# Altium PCB 一体机V1.PcbDoc (part 3 of 5)
Units mil, origin at the board's own origin, x right, y up, seen from the top; angles counter-clockwise.
Board outline 4013.53 x 6321.59 mil, 6 copper layers (Top Layer, GND, VCC, Mid-Layer 1, GND (Plane2), Bottom Layer); 349 components, 402 nets, 1592 pads, 708 vias.
Unrouted connection lines stored in the file: 4.
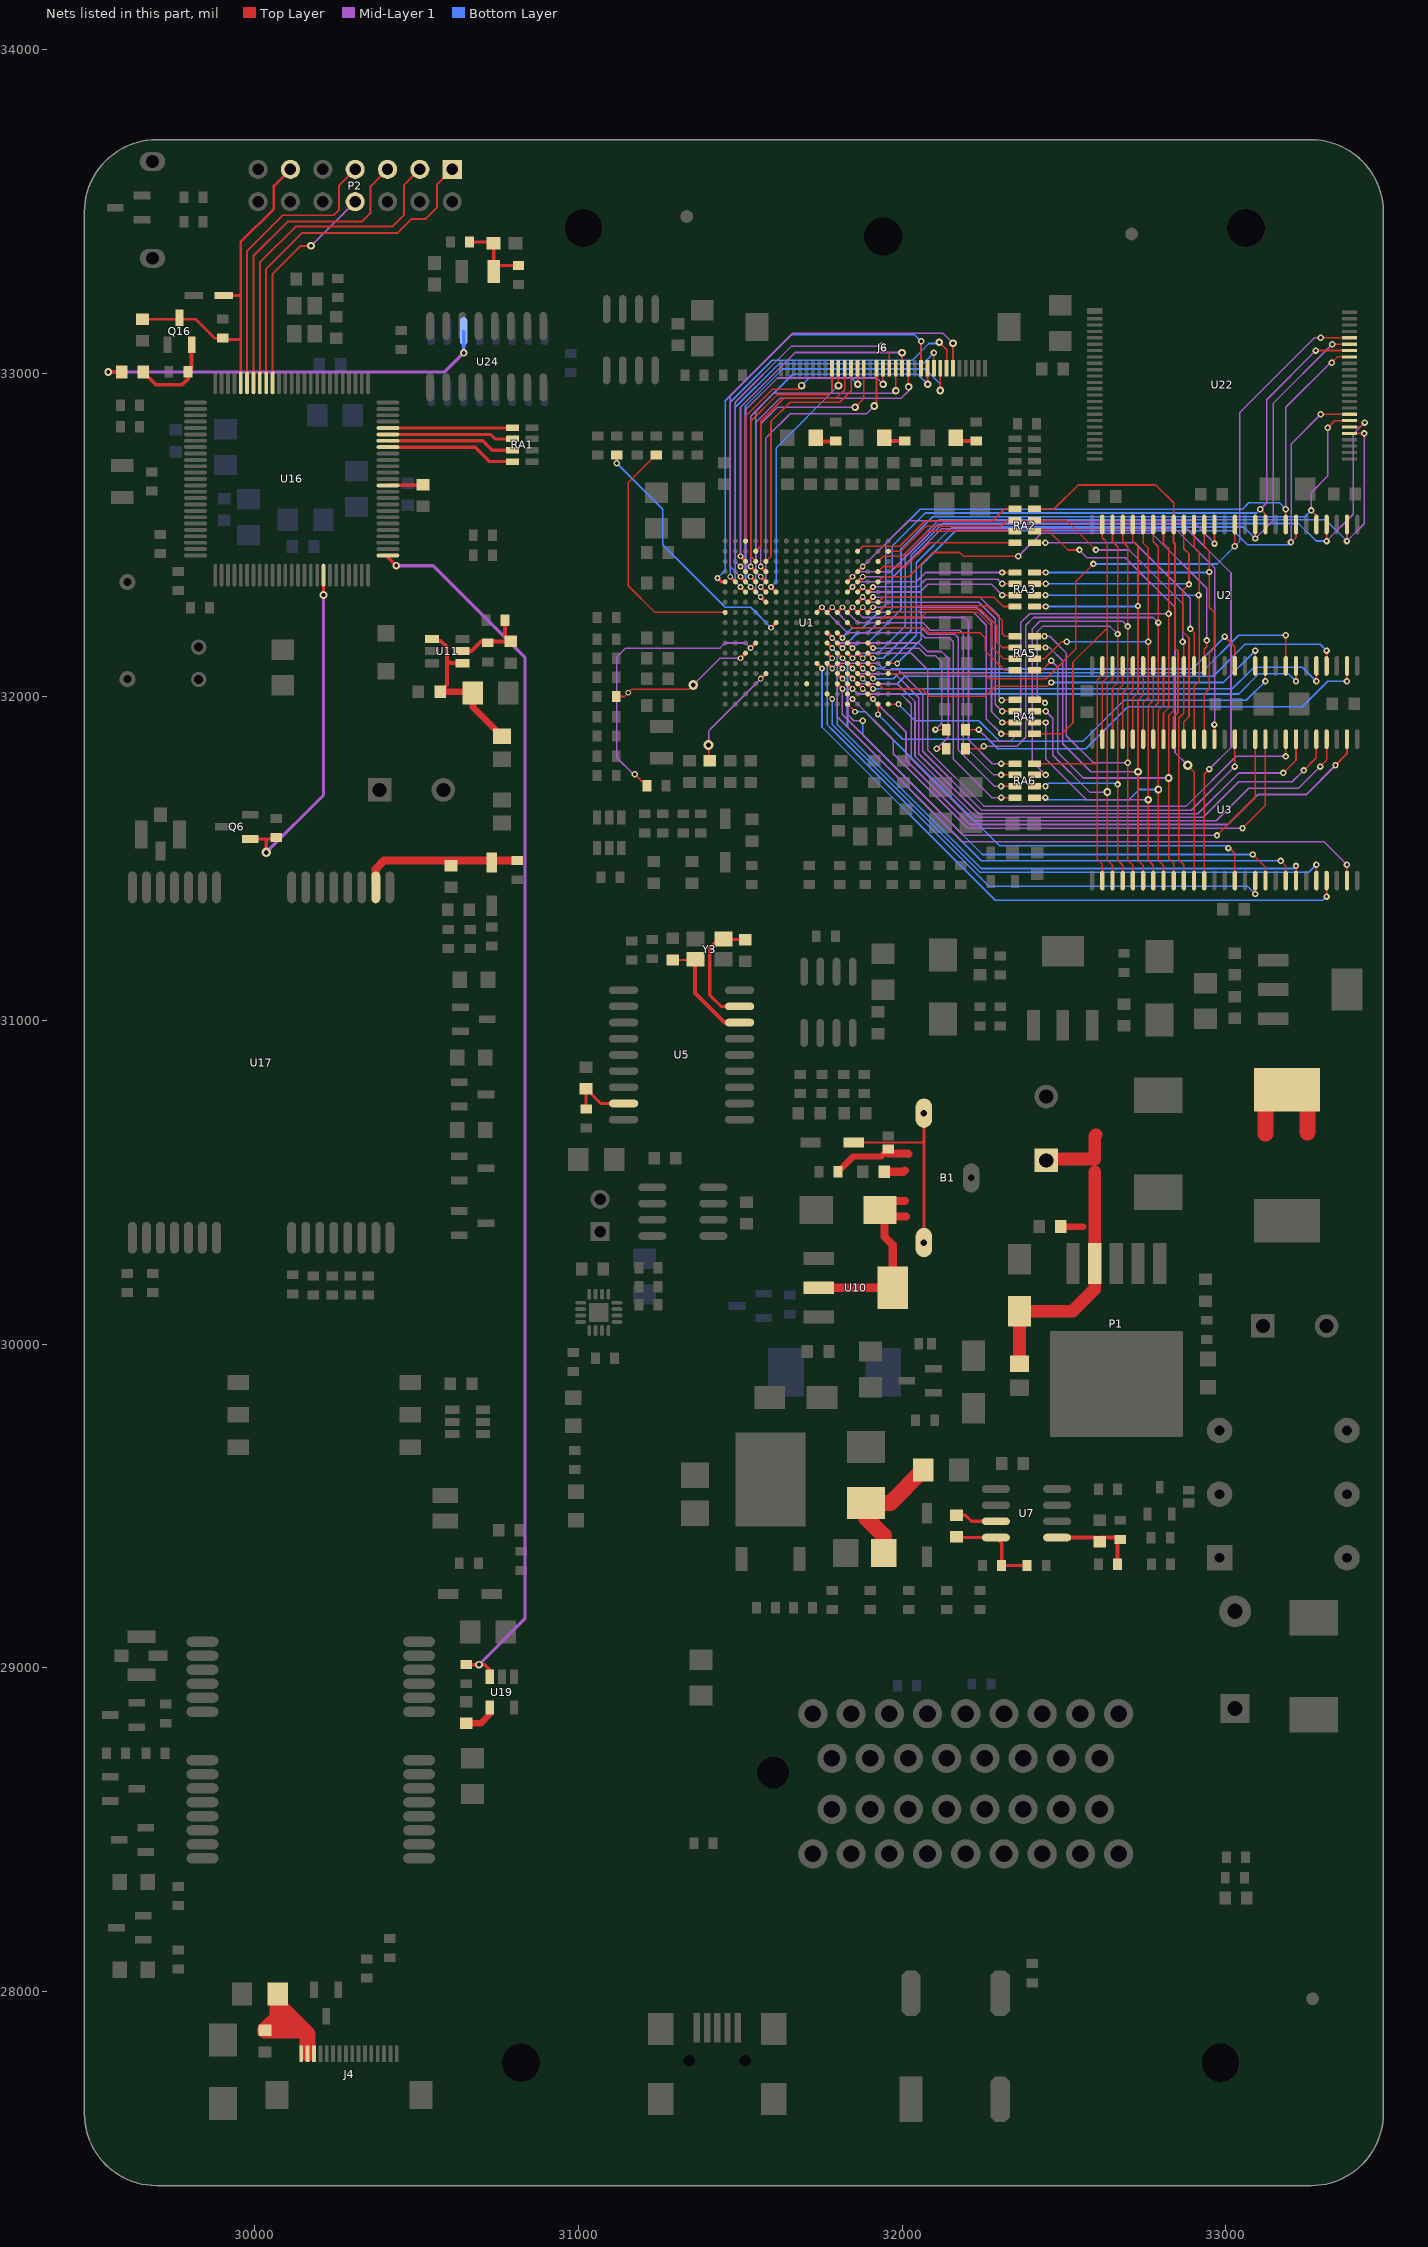
[diagram p7: the nets of this part, all layers, seen from the top]

## Via types
v1: diameter 18, hole 10, Top Layer to Bottom Layer, tented top, 254 vias
v2: diameter 20, hole 10, Top Layer to Bottom Layer, tented top, 136 vias
v3: diameter 23.62, hole 11.81, Top Layer to Bottom Layer, 111 vias
v4: diameter 50, hole 28, Top Layer to Bottom Layer, 77 vias
v5: diameter 19.68, hole 10, Top Layer to Bottom Layer, tented top, 63 vias
v6: diameter 23.62, hole 11.81, Top Layer to Bottom Layer, tented top, 31 vias
v7: diameter 30, hole 15, Top Layer to Bottom Layer, tented top, 18 vias
v8: diameter 30, hole 15, Top Layer to Bottom Layer, 17 vias
v9: diameter 39.37, hole 19.68, Top Layer to Bottom Layer, tented top, 1 vias

## Nets (pads, with @x,y where several pads share a name; then routed paths per layer and width w, separated by ;. In a path a pad name is that pad's centre, name@x,y a point inside that pad or via, vN(x,y) a via of type N, cw(c..) or ccw(c..) an arc to the next point about the centre after c; other vN are vias at no path point) (continued)
GPRS_PWR: Q6.1 R76.2 U16.43 | length 1053.4
  Top Layer w10: Q6.1@29986.22,31561.03 30035.43,31561.03 ; v8(30035.43,31519.68) 30035.43,31561.03 ; R76.2@30066.93,31564.96 30062.99,31561.03 30035.43,31561.03 ; v3(30212.6,32314.96) U16.43@30212.6,32375.98
  Mid-Layer 1 w10: v8(30035.43,31519.68) 30212.6,31696.85 v3(30212.6,32314.96)
GPS_PWR: R88.1 U16.51 U19.3 | length 3829.1
  Top Layer w10: U16.51@30411.42,32437.01 30411.42,32431.1 v3(30437.01,32405.51) ; R88.1@30653.54,29009.84 v3(30692.91,29009.84) 30710.63,29009.84 30726.38,28994.09 U19.3@30726.38,28972.44
  Mid-Layer 1 w10: v3(30437.01,32405.51) 30551.18,32405.51 30834.65,32122.05 30834.65,29151.58 v3(30692.91,29009.84)
I2CSCL: R31.2 U1.U8 | length 772.1
  Top Layer w5: R31.2@31238.9,32747.24 31154.25,32662.6 31154.25,32343.7 31236.93,32261.02 U1.U8@31453.46,32261.02
I2CSDA: R32.2 U1.M9 | length 799.2
  Top Layer w5: v2(31118.82,32721.65) R32.2@31118.82,32747.24
  Top Layer w10: v1(31595.2,32213.78) U1.M9@31610.95,32229.53
  Bottom Layer w5: v2(31118.82,32721.65) 31260.55,32579.92 31260.55,32469.68 31453.47,32276.77 31532.21,32276.77 v1(31595.2,32213.78)
LADDR2: RA3.1 U2.23 U3.23 | length 997.4
  Top Layer w5: RA3.1@32408.66,32279.39 v5(32444.27,32279.39) ; U3.23@32713.31,31869.29 32713.31,31997.24 32729.06,32012.99 32729.06,32463.78 32713.31,32479.53 U2.23@32713.31,32532.68
  Bottom Layer w5: v5(32444.27,32279.39) 32727.74,32279.39 v5(32729.06,32280.71)
LADDR3: RA6.3 U2.24 U3.24 | length 1491.4
  Top Layer w5: RA6.3@32408.66,31758.84 v5(32443.84,31758.84) ; U3.24@32681.81,31869.29 32681.81,32012.99 32697.56,32028.74 32697.56,32463.78 32681.81,32479.53 U2.24@32681.81,32532.68
  Mid-Layer 1 w5: v5(32443.84,31758.84) 32402.28,31800.39 32402.28,32209.84 32425.91,32233.46 32681.81,32233.46 v5(32697.56,32217.72)
LADDR4: RA4.4 U2.25 U3.25 | length 1207.8
  Top Layer w5: RA4.4@32408.66,31990.69 32432.46,31990.69 v5(32441.65,31981.5) ; U3.25@32650.32,31869.29 32650.32,32028.74 32666.07,32044.49 32666.07,32463.78 32650.32,32479.53 U2.25@32650.32,32532.68
  Mid-Layer 1 w5: v5(32441.65,31981.5) 32418.03,32005.12 32418.03,32201.97 32433.78,32217.72 32642.44,32217.72 v5(32666.06,32194.09)
LADDR5: RA4.1 U2.26 U3.26 | length 1147.8
  Top Layer w5: RA4.1@32408.66,31885.69 32493.49,31885.69 32528.27,31920.47 32528.27,32107.48 32634.57,32213.78 ; U3.26@32618.82,31869.29 32618.82,32044.49 32634.57,32060.24 32634.57,32213.78 ; U2.26@32618.82,32532.68 32618.82,32491.34 32634.57,32475.59 32634.57,32227.56 32634.57,32213.78
LADDR6: RA6.4 U2.29 U3.29 | length 868.2
  Top Layer w5: RA6.4@32408.66,31793.84 32600.45,31793.84 ; U3.29@32618.82,31432.28 32618.82,31483.46 32603.07,31499.21 32603.07,32052.36 32618.82,32068.11 U2.29@32618.82,32095.67
LADDR7: RA4.3 U2.30 U3.30 | length 1072.7
  Top Layer w5: RA4.3@32408.66,31955.69 v5(32443.84,31955.69) ; U3.30@32650.32,31432.28 32650.32,31479.53 32634.57,31495.27 32634.57,32036.61 32650.32,32052.36 U2.30@32650.32,32095.67
  Mid-Layer 1 w5: v5(32443.84,31955.69) 32465.28,31934.25 32465.28,31820.08 32579.45,31705.9 32630.63,31705.9 v6(32634.57,31705.9)
LADDR8: RA6.2 U2.31 U3.31 | length 941.1
  Top Layer w5: RA6.2@32408.66,31723.84 v5(32443.41,31723.84) ; U3.31@32681.81,31432.28 32681.81,31479.53 32666.07,31495.27 32666.07,32020.87 32681.81,32036.61 U2.31@32681.81,32095.67
  Bottom Layer w5: v5(32443.41,31723.84) 32453.03,31733.46 32658.19,31733.46 v5@32666.06,31725.59
  other v5: 32666.06,31729.53
LADDR9: RA5.4 U2.32 U3.32 | length 1277.2
  Top Layer w5: RA5.4@32408.66,32187.54 v5(32440.34,32187.54) ; U3.32@32713.31,31432.28 32713.31,31479.53 32697.56,31495.27 32697.56,32005.12 32713.31,32020.87 U2.32@32713.31,32095.67
  Mid-Layer 1 w5: v5(32440.34,32187.54) 32456.08,32187.54 32507.77,32135.85 32507.77,31879.94 32591.26,31796.46 v5(32697.56,31796.46)
LADDR10: RA5.3 U2.33 U3.33 | length 1305.6
  Top Layer w5: RA5.3@32408.66,32152.54 v5(32443.41,32152.54) ; U3.33@32744.81,31432.28 32744.81,31479.53 32729.06,31495.27 32729.06,31989.37 32744.81,32005.12 U2.33@32744.81,32095.67
  Mid-Layer 1 w5: v5(32443.41,32152.54) 32455.65,32152.54 32496.77,32111.42 32496.77,31855.51 32583.39,31768.9 v6(32729.06,31768.9)
LADDR11: RA4.2 U2.34 U3.34 | length 1192.9
  Top Layer w5: RA4.2@32408.66,31920.69 v5(32443.84,31920.69) ; U3.34@32776.3,31432.28 32776.3,31479.53 32760.55,31495.27 32760.55,31973.62 32776.3,31989.37 U2.34@32776.3,32095.67
  Mid-Layer 1 w5: v5(32443.84,31920.69) 32443.84,31808.27 32569.82,31682.28 v6(32760.55,31682.28)
LADDR12: RA5.2 U2.22 U3.22 | length 1050.2
  Top Layer w5: RA5.2@32408.66,32117.54 32439.9,32117.54 32492.84,32170.47 v2(32508.58,32170.47) ; U3.22@32744.81,31869.29 32744.81,31981.5 32760.55,31997.24 32760.55,32459.84 32744.81,32475.59 U2.22@32744.81,32532.68
  Bottom Layer w5: v2(32508.58,32170.47) v5(32760.55,32170.47)
LADDR13: RA6.1 U2.35 U3.35 | length 1075.6
  Top Layer w5: RA6.1@32408.66,31688.84 v5(32442.97,31688.84) ; U3.35@32807.8,31432.28 32807.8,31479.53 32792.05,31495.27 32792.05,31957.87 32807.8,31973.62 U2.35@32807.8,32095.67
  Bottom Layer w5: v5(32442.97,31688.84) 32449.53,31682.28 32701.5,31682.28 32732.99,31713.78 v6(32792.05,31713.78)
LADDR14: RA5.1 U2.36 U3.36 | length 1407.8
  Top Layer w5: RA5.1@32408.66,32082.54 32432.46,32082.54 v5(32461.34,32111.42) ; U3.36@32839.29,31432.28 32839.29,31485.43 32823.54,31501.18 v6(32823.54,31749.21) 32823.54,31942.12 32839.29,31957.87 U2.36@32839.29,32095.67
  Mid-Layer 1 w5: v5(32461.34,32111.42) 32481.03,32091.73 32481.03,31827.95 32559.77,31749.21 v6(32823.54,31749.21)
LADDR24: R7.2 U2.20 U3.20 | length 1678.2
  Top Layer w5: R7.2@32195.59,31898.82 v5(32236.93,31898.82) ; U3.20@32807.8,31869.29 32807.8,31950 32823.55,31965.75 32823.55,32459.84 32807.8,32475.59 U2.20@32807.8,32532.68
  Mid-Layer 1 w5: v5(32236.93,31898.82) 32272.36,31863.38 32335.36,31863.38 32366.85,31894.88 32366.85,32229.53 32394.41,32257.09 v5(32823.54,32257.09)
LADDR25: R6.2 U2.21 U3.21 | length 1650.3
  Top Layer w5: R6.2@32195.59,31839.76 32244.8,31839.76 v5(32252.68,31847.64) ; U3.21@32776.3,31869.29 32776.3,31965.75 32792.05,31981.5 32792.05,32463.78 32776.3,32479.53 U2.21@32776.3,32532.68
  Mid-Layer 1 w5: v5(32252.68,31847.64) 32355.04,31847.64 32382.6,31875.2 32382.6,32221.65 32406.22,32245.27 32776.3,32245.27 v5(32792.05,32229.53)
LCD_PWREN: R19.1 U1.P11 | length 889.6
  Top Layer w5: v5(31173.94,31761.02) 31197.56,31737.4 R19.1@31207.4,31737.4
  Top Layer w10: v1(31532.2,32150.79) U1.P11@31547.95,32166.53
  Mid-Layer 1 w5: v5@31171.97,31759.05 31118.82,31812.2 31118.82,32123.23 31146.38,32150.79 31437.72,32150.79 31453.47,32166.53 31516.46,32166.53 v1(31532.2,32150.79)
LDATA0: U1.D12 U2.2 U22.29 | length 2305.1
  Top Layer w5: v2(33374.73,32481.5) U2.2@33374.73,32532.68 ; U22.29@33382.6,32814.17 v2(33427.87,32814.17)
  Top Layer w10: U1.D12@31862.91,32135.04 v1(31878.66,32119.29)
  Mid-Layer 1 w5: v2(33374.73,32481.5) 33427.87,32534.64 v2(33427.87,32814.17)
  Bottom Layer w5: v1(31878.66,32119.29) 31894.41,32135.04 31925.91,32135.04 32009.71,32218.84 32009.71,32443.25 32113.26,32546.8 33309.42,32546.8 v2(33374.73,32481.5)
LDATA1: U1.C12 U2.4 U22.30 | length 2274.1
  Top Layer w5: v2(33311.73,32481.5) U2.4@33311.73,32532.68 ; U22.30@33382.6,32833.86 33416.07,32833.86 v2(33429.84,32847.64)
  Top Layer w10: U1.C12@31894.41,32135.04 v1(31910.16,32119.29)
  Mid-Layer 1 w5: v2(33311.73,32481.5) 33394.41,32564.17 33394.41,32812.2 v2(33429.84,32847.64)
  Bottom Layer w5: v1(31910.16,32119.29) 31941.66,32119.29 32028.27,32205.9 32028.27,32438.19 32125.88,32535.8 33225.12,32535.8 33279.43,32481.5 v2(33311.73,32481.5)
LDATA2: U1.E11 U2.5 U22.31 | length 2129.3
  Top Layer w5: v2(33264.49,32575.98) 33280.24,32560.24 U2.5@33280.24,32532.68 ; v2(33315.67,32831.89) 33337.33,32853.54 U22.31@33382.6,32853.54
  Top Layer w10: U1.E11@31831.42,32166.53 v1(31847.17,32150.79)
  Mid-Layer 1 w5: v2(33264.49,32575.98) 33264.49,32631.1 33311.73,32678.35 33315.67,32682.28 v2(33315.67,32831.89)
  Bottom Layer w5: v1(31847.17,32150.79) 31862.91,32166.53 31894.41,32166.53 31996.77,32268.9 31996.77,32457.87 32095.2,32556.3 33244.8,32556.3 v2(33264.49,32575.98)
LDATA3: U1.A13 U2.7 U22.32 | length 2152.9
  Top Layer w5: U1.A13@31957.4,32103.54 v1(31984.96,32103.54) ; v2(33201.5,32477.56) 33217.25,32493.31 U2.7@33217.25,32532.68 ; v2(33294.02,32873.23) U22.32@33382.6,32873.23
  Mid-Layer 1 w5: v2(33201.5,32477.56) 33202.25,32478.31 33202.25,32781.46 v2(33294.02,32873.23)
  Bottom Layer w5: v1(31984.96,32103.54) 32059.77,32178.35 32059.77,32406.69 32166.06,32512.99 33024.33,32512.99 33067.64,32469.68 33193.62,32469.68 v2(33201.5,32477.56)
LDATA4: U1.F10 U2.8 U22.41 | length 2330.5
  Top Layer w5: U2.8@33185.75,32532.68 U2.8@33185.75,32548.42 ; 33185.75,32564.17 U2.8@33185.75,32548.42 ; v2(33185.75,32579.92) U2.8@33185.75,32548.42 ; v2(33327.48,33032.68) 33345.2,33050.39 U22.41@33382.6,33050.39
  Top Layer w10: U1.F10@31799.92,32198.03 v1(31815.67,32182.28)
  Mid-Layer 1 w5: v2(33185.75,32579.92) 33185.75,32894.88 v2@33331.42,33040.55
  Bottom Layer w5: v1(31815.67,32182.28) 31847.17,32213.78 31878.66,32213.78 31949.53,32284.64 31949.53,32473.62 32055.83,32579.92 33051.89,32579.92 33071.58,32599.61 33166.06,32599.61 v2(33185.75,32579.92)
LDATA5: U1.F11 U2.10 U22.42 | length 2323.6
  Top Layer w5: v2(33107.01,32579.92) 33122.76,32564.17 U2.10@33122.76,32532.68 ; v2(33278.27,33070.08) U22.42@33382.6,33070.08
  Top Layer w10: U1.F11@31799.92,32166.53 v1(31815.67,32150.79)
  Mid-Layer 1 w5: v2(33107.01,32579.92) 33126.69,32599.61 33126.69,32906.69 33126.69,32918.5 v2(33278.27,33070.08)
  Bottom Layer w5: v1(31815.67,32150.79) 31862.91,32198.03 31894.41,32198.03 31969.21,32272.83 31969.21,32465.75 32071.58,32568.11 33095.2,32568.11 v2(33107.01,32579.92)
LDATA6: U1.C13 U2.11 U22.43 | length 2326
  Top Layer w5: v5(33091.26,32489.37) U2.11@33091.26,32532.68 ; v2(33329.45,33089.76) U22.43@33382.6,33089.76
  Top Layer w10: U1.C13@31894.41,32103.54 v1(31910.16,32087.79)
  Mid-Layer 1 w5: v5(33091.26,32489.37) 33146.38,32544.49 33146.38,32906.69 v2(33329.45,33089.76)
  Bottom Layer w5: v1(31910.16,32087.79) 31941.66,32087.79 32044.02,32190.16 32044.02,32414.57 32154.25,32524.8 33055.83,32524.8 v5(33091.26,32489.37)
LDATA7: U1.A14 U2.13 U22.44 | length 2290
  Top Layer w5: U1.A14@31957.4,32072.05 32255.18,32072.05 32270.93,32056.3 32445.59,32056.3 32536.14,32146.85 32536.14,32355.51 v2(32591.26,32410.63) ; v2(33028.27,32465.75) U2.13@33028.27,32532.68 ; v2(33294.02,33109.45) U22.44@33382.6,33109.45
  Mid-Layer 1 w5: v2(33028.27,32465.75) 33044.02,32481.5 33044.02,32879.13 33274.33,33109.45 v2(33294.02,33109.45)
  Bottom Layer w5: v2(32591.26,32410.63) 32973.15,32410.63 33008.58,32446.06 v2(33028.27,32465.75)
LDATA8: U1.D13 U2.42 | length 1297.8
  Top Layer w5: v2(32996.77,32186.22) 33028.27,32154.72 U2.42@33028.27,32095.67
  Top Layer w10: U1.D13@31862.91,32103.54 v1(31878.66,32087.79)
  Bottom Layer w5: v1(31878.66,32087.79) 31894.41,32072.05 31953.47,32072.05 31967.46,32086.04 32896.6,32086.04 v2(32996.77,32186.22)
LDATA9: U1.B15 U2.44 | length 1286.9
  Top Layer w5: U1.B15@31925.91,32040.55 31941.65,32024.8 32061.39,32024.8 32084.2,32001.99 32257.43,32001.99 32288.11,32032.68 32449.53,32032.68 v5(32461.34,32044.49) ; U2.44@33091.26,32095.67 v2(33091.26,32142.91)
  Bottom Layer w5: v5(32461.34,32044.49) 32992.84,32044.49 v2(33091.26,32142.91)
LDATA10: U1.A17 U2.45 | length 1336.5
  Top Layer w5: U1.A17@31957.4,31977.56 v1(31988.9,31977.56) ; v2(33122.76,32048.42) U2.45@33122.76,32095.67
  Bottom Layer w5: v1(31988.9,31977.56) 32040.08,31926.38 32236.93,31926.38 32299.92,31863.38 32559.77,31863.38 32685.75,31989.37 33063.7,31989.37 v2(33122.76,32048.42)
LDATA11: U1.C14 U2.47 | length 1447.8
  Top Layer w5: U2.47@33185.75,32095.67 v2(33185.75,32190.16)
  Top Layer w10: U1.C14@31894.41,32072.05 v1(31910.16,32056.3)
  Bottom Layer w5: v1(31910.16,32056.3) 31973.15,32056.3 31991.89,32075.04 32924.97,32075.04 33040.08,32190.16 v2(33185.75,32190.16)
LDATA12: U1.D15 U2.48 | length 1450.5
  Top Layer w5: v2(33217.25,32048.42) U2.48@33217.25,32095.67
  Top Layer w10: U1.D15@31862.91,32040.55 v1(31878.66,32024.8)
  Bottom Layer w5: v1(31878.66,32024.8) 31894.41,32009.05 33040.08,32009.05 33103.07,32072.05 33193.62,32072.05 v2(33217.25,32048.42)
LDATA13: U1.C15 U2.50 | length 1485.3
  Top Layer w5: v2(33280.24,32048.42) U2.50@33280.24,32095.67
  Top Layer w10: U1.C15@31894.41,32040.55 v1(31910.16,32024.8)
  Bottom Layer w5: v1(31910.16,32024.8) 33020.4,32024.8 33069.61,32074.01 33087.32,32091.73 33225.12,32091.73 33236.93,32091.73 v2(33280.24,32048.42)
LDATA14: U1.D14 U2.51 | length 1567.8
  Top Layer w5: U2.51@33311.73,32095.67 v2(33311.73,32142.91)
  Top Layer w10: U1.D14@31862.91,32072.05 v1(31878.66,32056.3)
  Bottom Layer w5: v1(31878.66,32056.3) 31894.41,32040.55 31984.96,32040.55 32008.45,32064.04 32961.21,32064.04 33059.77,32162.6 33292.05,32162.6 v2(33311.73,32142.91)
LDATA15: U1.B17 U2.53 | length 1658
  Top Layer w5: v1(31925.91,31946.06) U1.B17@31925.91,31977.56 ; v2(33374.73,32048.42) U2.53@33374.73,32095.67
  Bottom Layer w5: v1(31925.91,31946.06) 32002.62,31869.35 32266.51,31869.35 32296.1,31839.76 32567.64,31839.76 32697.56,31969.68 33236.93,31969.68 33315.67,32048.42 v2(33374.73,32048.42)
LDATA16: U1.C16 U3.2 | length 1834
  Top Layer w6: U1.C16@31894.41,32009.05 v1(31910.16,31993.31) ; v2(33339.29,31788.58) 33374.72,31824.01 U3.2@33374.72,31869.29
  Mid-Layer 1 w6: v1(31910.16,31993.31) 32012.52,31890.94 32012.52,31804.33 32211.38,31605.48 33006.58,31605.48 33099.14,31698.03 33248.74,31698.03 v2(33339.29,31788.58)
LDATA17: U1.E15 U3.4 | length 1897.5
  Top Layer w5: v2(33292.05,31784.64) 33311.73,31804.33 U3.4@33311.73,31869.29
  Top Layer w10: U1.E15@31831.42,32040.55 v1(31847.17,32024.8)
  Mid-Layer 1 w5: v1(31847.17,32024.8) 31862.91,32009.05 31996.77,32009.05 32028.27,31977.56 32028.27,31808.27 32219.56,31616.98 32970.84,31616.98 33071.58,31717.72 33225.12,31717.72 v2(33292.05,31784.64)
LDATA18: U1.E14 U3.5 | length 1865.3
  Top Layer w5: v2(33240.87,31772.83) 33280.24,31812.2 U3.5@33280.24,31869.29
  Top Layer w10: U1.E14@31831.42,32072.05 v1(31847.17,32056.3)
  Mid-Layer 1 w5: v1(31847.17,32056.3) 31862.91,32040.55 31984.96,32040.55 32040.08,31985.43 32040.08,31816.14 32228.25,31627.98 32930.65,31627.98 33040.08,31737.4 33205.43,31737.4 v2(33240.87,31772.83)
LDATA19: U1.E13 U3.7 | length 1813.2
  Top Layer w5: v2(33177.88,31764.96) 33217.25,31804.33 U3.7@33217.25,31869.29
  Top Layer w10: U1.E13@31831.42,32103.54 v1(31847.17,32087.79)
  Mid-Layer 1 w5: v1(31847.17,32087.79) 31862.91,32072.05 31977.09,32072.05 32051.89,31997.24 32051.89,31824.01 32236.93,31638.98 32914.1,31638.98 33040.08,31764.96 v2(33177.88,31764.96)
LDATA20: U1.E12 U3.8 | length 1825
  Top Layer w5: v2(33185.75,31816.14) U3.8@33185.75,31869.29
  Top Layer w10: U1.E12@31831.42,32135.04 v1(31847.17,32119.29)
  Mid-Layer 1 w5: v1(31847.17,32119.29) 31862.91,32135.04 32028.27,32135.04 32079.45,32083.86 32079.45,31836.09 32252.94,31662.6 32878.66,31662.6 33032.21,31816.14 v2(33185.75,31816.14)
LDATA21: U1.E16 U3.10 | length 1722.4
  Top Layer w5: U1.E16@31831.42,32009.05 v1(31847.17,31993.31) ; v2(33051.89,31593.98) 33122.76,31664.84 U3.10@33122.76,31869.29
  Mid-Layer 1 w5: v1(31847.17,31993.31) 31973.15,31867.32 31973.15,31824.01 32203.19,31593.98 v2(33051.89,31593.98)
LDATA22: U1.F15 U3.11 | length 1759.6
  Top Layer w5: v2(32973.15,31572.05) 33091.26,31690.16 U3.11@33091.26,31869.29
  Top Layer w10: U1.F15@31799.92,32040.55 v1(31815.67,32024.8)
  Mid-Layer 1 w5: v1(31815.67,32024.8) 31815.67,31946.06 32181.81,31579.92 32189.69,31572.05 v2(32973.15,31572.05)
LDATA23: U1.G13 U3.13 | length 1697.1
  Top Layer w5: v2@33028.27,31792.52 U3.13@33028.27,31869.29
  Top Layer w10: U1.G13@31768.43,32103.54 v1(31784.17,32087.79)
  Mid-Layer 1 w5: v1(31784.17,32087.79) 31799.92,32103.54 31925.91,32103.54 31945.59,32083.86 31988.9,32083.86 32063.7,32009.05 32063.7,31831.89 32245.62,31649.98 32893.6,31649.98 v2(33028.27,31784.64)
LDATA24: U1.E17 U3.42 | length 1472.3
  Top Layer w5: U1.E17@31831.42,31977.56 v1(31855.04,31953.94) ; v2(33008.58,31532.68) 33012.52,31532.68 33028.27,31516.93 U3.42@33028.27,31432.28
  Bottom Layer w5: v1(31855.04,31953.94) 31886.54,31953.94 32299.92,31540.55 33000.71,31540.55 v2(33008.58,31532.68)
LDATA25: U1.G12 U3.44 | length 1814.6
  Top Layer w5: v2(33091.26,31390.95) U3.44@33091.26,31432.28
  Top Layer w10: U1.G12@31768.43,32135.04 v1(31784.17,32119.29)
  Bottom Layer w5: v1(31784.17,32119.29) 31768.43,32103.54 31768.43,31914.57 31784.17,31898.82 32268.43,31414.57 33067.64,31414.57 v2(33091.26,31390.95)
LDATA26: U1.F14 U3.45 | length 1692.8
  Top Layer w5: v2(33083.39,31512.99) 33122.76,31473.62 U3.45@33122.76,31432.28
  Top Layer w10: U1.F14@31799.92,32072.05 v1(31815.67,32056.3)
  Mid-Layer 1 w5: v1(31815.67,32056.3) 31831.42,32040.55 31831.42,31946.06 31851.1,31926.38 v5(31878.66,31926.38)
  Bottom Layer w5: v5(31878.66,31926.38) 31878.66,31883.07 32248.74,31512.99 v2(33083.39,31512.99)
LDATA27: U1.F12 U3.47 | length 1818.8
  Top Layer w5: v2(33170,31493.31) 33185.75,31477.56 U3.47@33185.75,31432.28
  Top Layer w10: U1.F12@31799.92,32135.04 v1(31815.67,32119.29)
  Bottom Layer w5: v1(31815.67,32119.29) 31831.42,32103.54 31831.42,31906.69 32244.8,31493.31 v2(33170,31493.31)
LDATA28: U1.G11 U3.48 | length 1915.1
  Top Layer w5: U3.48@33217.25,31432.28 v2(33217.25,31477.56)
  Top Layer w10: U1.G11@31768.43,32166.53 v1(31784.17,32150.79)
  Bottom Layer w5: v1(31784.17,32150.79) 31799.92,32135.04 31799.92,31914.57 32244.8,31469.68 33209.37,31469.68 v2(33217.25,31477.56)
LDATA29: U1.G16 U3.50 | length 1845.2
  Top Layer w5: U1.G16@31768.43,32009.05 v1(31784.17,31993.31) ; U3.50@33280.24,31432.28 v2(33280.24,31481.49)
  Bottom Layer w5: v1(31784.17,31993.31) 31784.17,31914.57 32240.87,31457.87 33256.62,31457.87 v2(33280.24,31481.49)
LDATA30: U1.H13 U3.51 | length 2038.3
  Top Layer w5: v2(33311.73,31383.07) U3.51@33311.73,31432.28
  Top Layer w10: U1.H13@31736.93,32103.54 v1(31752.68,32087.79)
  Bottom Layer w5: v1(31752.68,32087.79) 31752.68,31906.69 32288.11,31371.26 33299.92,31371.26 v2(33311.73,31383.07)
LDATA31: U1.F13 U3.53 | length 1991.6
  Top Layer w5: U3.53@33374.72,31432.28 v2(33374.72,31481.49)
  Top Layer w10: U1.F13@31799.92,32103.54 v1(31815.67,32087.79)
  Mid-Layer 1 w5: v1(31815.67,32087.79) 31799.92,32072.05 31799.92,31938.19 32185.75,31552.36 33303.86,31552.36 v2(33374.72,31481.49)
LDNWBE0: U1.D4 U2.15 | length 1257
  Top Layer w5: v5(32965.28,32473.62) U2.15@32965.28,32532.48
  Top Layer w10: U1.D4@31862.91,32387.01 v1(31878.66,32402.76)
  Mid-Layer 1 w5: v1(31878.66,32402.76) 31957.4,32481.5 32020.39,32544.49 32051.89,32544.49 32898.35,32544.49 v5(32965.28,32473.62)
LDNWBE1: U1.B5 U2.39 | length 1401
  Top Layer w5: U1.B5@31925.91,32355.51 31941.65,32371.26 32020.39,32371.26 32095.2,32446.06 32177.88,32446.06 32189.69,32434.25 v2(32358.98,32434.25) ; U2.39@32933.78,32095.67 32933.78,32146.85 32941.65,32154.72 v2(32941.65,32174.41)
  Mid-Layer 1 w5: v2(32358.98,32434.25) 32429.84,32505.12 32772.36,32505.12 32941.65,32335.83 v2(32941.65,32174.41)
LDNWBE2: U1.D5 U3.15 | length 1749.6
  Top Layer w5: U3.15@32965.28,31869.29 v2(32965.28,31914.57)
  Top Layer w10: U1.D5@31862.91,32355.51 v1(31878.66,32371.26)
  Mid-Layer 1 w5: v1(31878.66,32371.26) 31973.15,32371.26 32120.79,32518.9 32845.2,32518.9 32965.87,32398.22 v2@32965.87,31914.57
LDNWBE3: U1.E5 U3.39 | length 2306.1
  Top Layer w5: U3.39@32933.78,31432.28 32933.78,31761.02 v2(32949.53,31776.77)
  Top Layer w10: U1.E5@31831.42,32355.51 v1(31847.17,32371.26)
  Mid-Layer 1 w5: v1(31847.17,32371.26) 31862.91,32387.01 31965.28,32387.01 32111.76,32533.49 32866.04,32533.49 33016.46,32383.07 33016.46,31843.7 v2(32949.53,31776.77)
LLADDR2: RA3.8 U1.B7 | length 441.2
  Top Layer w5: U1.B7@31925.91,32292.52 31941.65,32308.27 32284.17,32308.27 32313.05,32279.39 RA3.8@32348.66,32279.39
LLADDR3: RA6.6 U1.F8 | length 970.4
  Top Layer w5: v5(32306.04,31758.84) RA6.6@32348.66,31758.84
  Top Layer w10: U1.F8@31799.92,32261.02 v1(31815.67,32276.77)
  Mid-Layer 1 w5: v1(31815.67,32276.77) 31862.91,32229.53 32063.7,32229.53 32087.32,32205.9 32177.88,32205.9 32189.69,32194.09 32189.69,31851.57 32282.42,31758.84 v5(32306.04,31758.84)
LLADDR4: RA4.5 U1.C7 | length 748.7
  Top Layer w5: v5(32307.8,31989.37) 32309.12,31990.69 RA4.5@32348.66,31990.69 RA4.5@32343.23,31996.12
  Top Layer w10: U1.C7@31894.41,32292.52 v1(31910.16,32308.27)
  Mid-Layer 1 w5: v1(31910.16,32308.27) 32028.27,32308.27 32240.87,32308.27 32299.92,32249.21 32299.92,31997.24 v5(32307.8,31989.37)
LLADDR5: RA4.8 U1.D8 | length 824.2
  Top Layer w5: v5(32306.48,31885.69) RA4.8@32348.66,31885.69
  Top Layer w10: U1.D8@31862.91,32261.02 v1(31878.66,32276.77)
  Mid-Layer 1 w5: v1(31878.66,32276.77) 31894.41,32261.02 32221.18,32261.02 32260.55,32221.65 32260.55,31931.61 v5(32306.48,31885.69)
LLADDR6: RA6.5 U1.E8 | length 938.3
  Top Layer w5: v5(32306.48,31793.84) RA6.5@32348.66,31793.84
  Top Layer w10: U1.E8@31831.42,32261.02 v1(31847.17,32276.77)
  Mid-Layer 1 w5: v1(31847.17,32276.77) 31878.66,32245.27 32193.62,32245.27 32205.43,32233.46 32205.43,31867.32 32278.92,31793.84 v5(32306.48,31793.84)
LLADDR7: RA4.6 U1.D7 | length 793.1
  Top Layer w5: v5(32309.55,31955.69) RA4.6@32348.66,31955.69
  Top Layer w10: U1.D7@31862.91,32292.52 v1(31878.66,32308.27)
  Mid-Layer 1 w5: v1(31878.66,32308.27) 31894.41,32292.52 32236.93,32292.52 32288.11,32241.34 32288.11,31977.12 v5(32309.55,31955.69)
LLADDR8: RA6.7 U1.G8 | length 1018.7
  Top Layer w5: v5(32306.04,31723.84) RA6.7@32348.66,31723.84
  Top Layer w10: U1.G8@31768.43,32261.02 v1(31784.17,32276.77)
  Mid-Layer 1 w5: v1(31784.17,32276.77) 31847.17,32213.78 32059.77,32213.78 32079.45,32194.09 32162.13,32194.09 32173.94,32182.28 32173.94,31835.83 32285.93,31723.84 v5(32306.04,31723.84)
LLADDR9: RA5.5 U1.B8 | length 493.5
  Top Layer w5: U1.B8@31925.91,32261.02 31941.65,32276.77 32040.08,32276.77 32045.14,32281.83 32263.36,32281.83 32309.42,32235.77 32309.42,32196.4 32318.29,32187.54 RA5.5@32348.66,32187.54
LLADDR10: RA5.6 U1.A8 | length 469
  Top Layer w5: U1.A8@31957.4,32261.02 32020.39,32261.02 32048.15,32261.02 32058.15,32271.02 32242.68,32271.02 32292.05,32221.65 32292.05,32170.47 32309.98,32152.54 RA5.6@32343.23,32152.54
LLADDR11: RA4.7 U1.C8 | length 769.7
  Top Layer w5: v5(32309.55,31920.69) RA4.7@32348.66,31920.69
  Top Layer w10: U1.C8@31894.41,32261.02 v1(31910.16,32276.77)
  Mid-Layer 1 w5: v1(31910.16,32276.77) 32028.27,32276.77 32229.06,32276.77 32276.3,32229.53 32276.3,31953.94 v5(32309.55,31920.69)
LLADDR12: RA5.7 U1.B9 | length 533
  Top Layer w5: U1.B9@31925.91,32229.53 31941.65,32245.27 32059.77,32245.27 32075.51,32261.02 32234.39,32261.02 32276.3,32219.11 32276.3,32154.72 32313.49,32117.54 RA5.7@32348.66,32117.54
LLADDR13: RA6.8 U1.H8 | length 1074
  Top Layer w5: v5(32306.48,31688.84) RA6.8@32348.66,31688.84
  Top Layer w10: U1.H8@31736.93,32261.02 v1(31752.68,32276.77)
  Mid-Layer 1 w5: v1(31752.68,32276.77) 31831.42,32198.03 32055.83,32198.03 32071.58,32182.28 32146.38,32182.28 32158.19,32170.47 32158.19,31808.27 32277.62,31688.84 v5(32306.48,31688.84)
LLADDR14: RA5.8 U1.E9 | length 601.2
  Top Layer w5: U1.E9@31831.42,32229.53 31847.17,32213.78 32067.64,32213.78 32083.39,32198.03 32240.87,32198.03 32256.62,32182.28 32256.62,32142.91 32316.99,32082.54 RA5.8@32348.66,32082.54
LLADDR24: R7.1 U1.C11 | length 503.1
  Top Layer w5: v5(32103.07,31898.82) R7.1@32136.54,31898.82
  Top Layer w10: U1.C11@31894.41,32166.53 v1(31910.16,32150.79)
  Mid-Layer 1 w5: v1(31910.16,32150.79) 32051.89,32150.79 32075.51,32127.16 32103.07,32127.16 32122.76,32107.48 32122.76,31918.5 v5(32103.07,31898.82)
LLADDR25: R6.1 U1.G10 | length 730.4
  Top Layer w5: v5(32107.01,31839.76) R6.1@32136.54,31839.76
  Top Layer w10: U1.G10@31768.43,32198.03 v1(31784.17,32182.28)
  Mid-Layer 1 w5: v1(31784.17,32182.28) 31799.92,32166.53 32051.89,32166.53 32078.32,32140.1 32121.63,32140.1 32142.44,32119.29 32142.44,31875.2 v5(32107.01,31839.76)
LLNSCAS: RA3.7 U1.D6 | length 522.4
  Top Layer w5: v5(32309.55,32314.39) RA3.7@32348.66,32314.39
  Top Layer w10: U1.D6@31862.91,32324.02 v1(31878.66,32339.76)
  Mid-Layer 1 w5: v1(31878.66,32339.76) 31894.41,32324.01 32055.83,32324.01 32079.45,32347.64 32276.3,32347.64 v5(32309.55,32314.39)
LLNSCS0: RA2.5 U1.D2 | length 540.1
  Top Layer w5: U1.D2@31862.91,32450 31878.66,32465.75 31992.84,32465.75 32069.77,32542.68 32278.43,32542.68 32316.99,32581.24 RA2.5@32348.66,32581.24
LLNSRAS: RA3.6 U1.C6 | length 476.4
  Top Layer w5: v5(32309.55,32349.39) RA3.6@32348.66,32349.39
  Top Layer w10: U1.C6@31894.41,32324.02 v1(31910.16,32339.76)
  Mid-Layer 1 w5: v1(31910.16,32339.76) 32028.27,32339.76 32049.58,32339.76 32073.2,32363.38 32295.55,32363.38 v5(32309.55,32349.39)
LLNWE: RA3.5 U1.E6 | length 542.3
  Top Layer w5: v5(32309.12,32384.39) RA3.5@32348.66,32384.39
  Top Layer w10: U1.E6@31831.42,32324.02 v1(31847.17,32339.76)
  Mid-Layer 1 w5: v1(31847.17,32339.76) 31862.91,32355.51 32044.02,32355.51 32072.89,32384.39 v5(32309.12,32384.39)
LLSCKE: RA2.6 U1.A2 | length 431.1
  Top Layer w5: U1.A2@31957.4,32450 31996.77,32450 32074.33,32527.56 32306.42,32527.56 32325.1,32546.24 RA2.6@32348.66,32546.24
LLSCLK0: RA2.8 U1.B4 | length 460.1
  Top Layer w5: U1.B4@31925.91,32387.01 31941.65,32402.75 32012.52,32402.75 32086.01,32476.24 32284.37,32476.24 32284.8,32475.81 32299.3,32475.81 32299.73,32476.24 RA2.8@32348.66,32476.24
LLSCLK1: RA2.7 U1.B3 | length 461.2
  Top Layer w5: 31941.65,32434.25 32000.71,32434.25 32020.39,32453.94 32077.7,32511.24 RA2.7@32348.66,32511.24
  Top Layer w6: U1.B3@31925.91,32418.5 31941.65,32434.25
LNSCAS: RA3.2 U2.17 U3.17 | length 1184
  Top Layer w5: RA3.2@32408.66,32314.39 v5(32443.41,32314.39) ; U3.17@32902.29,31869.29 32902.29,32032.68 32918.03,32048.42 32918.03,32446.06 32902.29,32461.81 U2.17@32902.29,32532.68
  Bottom Layer w5: v5(32443.41,32314.39) v5(32916.28,32314.39)
LNSCS0: RA2.4 U2.19 U3.19 | length 1225.6
  Top Layer w5: RA2.4@32408.66,32581.24 32470.53,32581.24 32544.02,32654.72 32784.17,32654.72 32839.29,32599.6 U2.19@32839.29,32532.68
  Top Layer w6: U3.19@32839.29,31869.29 32839.29,31938.19 32852.99,31951.88 32852.99,32141.03 32843.23,32150.79 32843.23,32473.62 32839.29,32477.56 U2.19@32839.29,32532.68
LNSRAS: RA3.3 U2.18 U3.18 | length 1168.9
  Top Layer w5: RA3.3@32408.66,32349.39 v5(32443.84,32349.39) ; U3.18@32870.79,31869.29 32870.79,31922.44 32886.54,31938.19 32886.54,32182.28 32866.85,32201.97 32866.85,32327.95 v5(32886.54,32347.64) 32886.54,32442.12 32870.79,32457.87 U2.18@32870.79,32532.68
  Bottom Layer w5: v5(32443.84,32349.39) v5@32884.78,32349.39
LNWE: RA3.4 U2.16 U3.16 | length 1230.9
  Top Layer w5: RA3.4@32408.66,32384.39 v5(32444.27,32384.39) ; U3.16@32933.78,31869.29 32933.78,32009.05 32949.53,32024.8 32949.53,32135.04 32965.28,32150.79 32965.28,32261.02 32949.53,32276.77 v5(32949.53,32385.71) 32949.53,32450 32933.78,32465.75 U2.16@32933.78,32532.68
  Bottom Layer w5: v5(32444.27,32384.39) 32948.21,32384.39 v5(32949.53,32385.71)
LSCKE: RA2.3 U2.37 U3.37 | length 1435.9
  Top Layer w5: RA2.3@32408.66,32546.24 32506.83,32546.24 v2(32599.14,32453.94) ; v5(32866.85,32170.47) 32870.79,32166.53 U2.37@32870.79,32095.67 32870.79,31950 32855.04,31934.25 32855.04,31497.24 32870.79,31481.49 U3.37@32870.79,31432.28
  Mid-Layer 1 w5: v2(32599.14,32453.94) 32701.5,32453.94 32866.85,32288.58 v5(32866.85,32170.47)
LSCLK0: RA2.1 U2.38 | length 766.6
  Top Layer w5: RA2.1@32408.66,32476.24 v2(32442.97,32476.24) ; v2(32890.47,32209.84) 32902.29,32198.03 U2.38@32902.29,32095.67
  Mid-Layer 1 w5: v2(32442.97,32476.24) 32718.56,32476.24 32890.47,32304.33 v2(32890.47,32209.84)
LSCLK1: RA2.2 U3.38 | length 1400.6
  Top Layer w5: RA2.2@32408.66,32511.24 32455.22,32511.24 32512.52,32453.94 v2(32547.95,32453.94) ; v7(32882.6,31788.58) 32902.29,31768.9 U3.38@32902.29,31432.28
  Mid-Layer 1 w5: v2(32547.95,32453.94) 32571.58,32430.31 32689.69,32430.31 32843.23,32276.77 32843.23,31827.95 v7(32882.6,31788.58)
LVD2: J6.20 U1.N4 | length 906.8
  Top Layer w5: v6(31855.04,32894.88) 31881.89,32921.73 J6.20@31881.89,33014.76
  Top Layer w10: v1(31563.7,32402.76) U1.N4@31579.45,32387.01
  Mid-Layer 1 w5: v1(31563.7,32402.76) 31563.7,32843.7 31614.88,32894.88 v6(31855.04,32894.88)
LVD3: J6.21 U1.R1 | length 838.7
  Top Layer w5: U1.R1@31516.46,32481.5 31516.46,32867.32 31599.14,32950 31677.88,32950 v6@31685.75,32957.87 ; J6.21@31862.21,33014.76 31862.91,33014.06 v6(31862.91,32965.75)
  Bottom Layer w5: v6@31685.75,32957.87 31713.31,32985.43 31843.23,32985.43 v6(31862.91,32965.75)
  other v6: 31689.69,32961.81
LVD4: J6.22 U1.N3 | length 795.8
  Top Layer w5: U1.N3@31579.45,32418.5 31595.2,32434.25 31595.2,32851.57 31654.25,32910.63 31807.8,32910.63 31843.23,32946.06 31843.23,33014.06 J6.22@31842.52,33014.76
LVD5: J6.23 U1.P2 | length 773.2
  Top Layer w5: U1.P2@31547.95,32450 31563.7,32465.75 31563.7,32851.57 31634.57,32922.44 31795.99,32922.44 31822.84,32949.29 J6.23@31822.84,33014.76
LVD6: J6.24 U1.M6 | length 784
  Top Layer w5: J6.24@31803.15,33014.76 31803.15,32962.52 v6(31803.86,32961.81)
  Top Layer w10: v1(31595.2,32339.76) U1.M6@31610.95,32324.02
  Bottom Layer w5: v1(31595.2,32339.76) 31610.95,32355.51 31610.95,32768.9 v6(31803.86,32961.81)
LVD7: J6.25 U1.P3 | length 799.1
  Top Layer w5: U1.P3@31547.95,32418.5 31532.21,32434.25 31532.21,32851.57 31614.88,32934.25 31772.36,32934.25 31783.47,32945.35 J6.25@31783.47,33014.76
LVD10: J6.13 U1.N5 | length 1087.4
  Top Layer w5: J6.13@32019.69,33014.76 32019.69,32958.58 v6(32020.39,32957.87)
  Top Layer w10: v1(31563.7,32371.26) U1.N5@31579.45,32355.51
  Mid-Layer 1 w5: v1(31563.7,32371.26) 31547.95,32387.01 31547.95,32847.64 31622.76,32922.44 31996.77,32922.44 32020.39,32946.06 v6(32020.39,32957.87)
LVD11: J6.14 U1.R3 | length 1101.7
  Top Layer w5: J6.14@32000,33014.76 v6(32000,33063.46)
  Top Layer w10: v1(31500.71,32434.25) U1.R3@31516.46,32418.5
  Mid-Layer 1 w5: v1(31500.71,32434.25) 31500.71,32894.88 31670,33064.17 v6@32000.71,33064.17
LVD12: J6.15 U1.P4 | length 1037.3
  Top Layer w5: J6.15@31980.32,33014.76 31980.32,32946.77 v6(31981.03,32946.06)
  Top Layer w10: v1(31532.2,32402.76) U1.P4@31547.95,32387.01
  Mid-Layer 1 w5: v1(31532.2,32402.76) 31532.2,32867.32 31603.07,32938.19 31973.15,32938.19 v6(31981.03,32946.06)
LVD13: J6.16 U1.R4 | length 1139.8
  Top Layer w5: v1(31500.71,32402.75) U1.R4@31516.46,32387.01 ; v6(31937.72,33083.86) 31960.63,33060.94 J6.16@31960.63,33014.76
  Mid-Layer 1 w5: v1(31500.71,32402.75) 31484.96,32418.5 31484.96,32910.63 31658.19,33083.86 v6(31937.72,33083.86)
LVD14: J6.17 U1.P5 | length 1068
  Top Layer w5: J6.17@31940.95,33014.76 31940.95,32966.46 v6(31941.65,32965.75)
  Top Layer w10: v1(31532.2,32371.26) U1.P5@31547.95,32355.51
  Mid-Layer 1 w5: v1(31532.2,32371.26) 31516.46,32387.01 31516.46,32887.01 31614.88,32985.43 31921.97,32985.43 v6(31941.65,32965.75)
LVD15: J6.18 U1.N6 | length 983.8
  Top Layer w5: v6(31914.1,32898.82) 31921.26,32905.98 J6.18@31921.26,33014.76
  Top Layer w10: v1(31563.7,32339.76) U1.N6@31579.45,32324.02
  Mid-Layer 1 w5: v1(31563.7,32339.76) 31579.45,32355.51 31579.45,32800.39 31654.25,32875.2 31890.47,32875.2 v6(31914.1,32898.82)
LVD18: J6.6 U1.R5 | length 1453
  Top Layer w5: J6.6@32157.48,33014.76 v6(32157.48,33092.44)
  Top Layer w10: v1(31500.71,32371.26) U1.R5@31516.46,32355.51
  Mid-Layer 1 w5: v1(31500.71,32371.26) 31469.21,32402.76 31469.21,32930.31 31662.13,33123.23 32126.69,33123.23 v6(32157.48,33092.44)
LVD19: J6.7 U1.T5 | length 1374.3
  Top Layer w5: v6(32114.88,33095.67) 32137.8,33072.76 J6.7@32137.8,33014.76
  Top Layer w10: v1(31469.21,32371.26) U1.T5@31484.96,32355.51
  Bottom Layer w5: v1(31469.21,32371.26) 31469.21,32910.63 31599.14,33040.55 32032.21,33040.55 32083.39,33091.73 32110.95,33091.73 v6(32114.88,33095.67)
LVD20: J6.8 U1.P6 | length 1343.7
  Top Layer w5: v6(32118.11,32946.77) J6.8@32118.11,33014.76
  Top Layer w10: v1(31532.2,32339.76) U1.P6@31547.95,32324.02
  Bottom Layer w5: v1(31532.2,32339.76) 31516.46,32355.51 31516.46,32898.82 31630.63,33012.99 32071.58,33012.99 32118.11,32966.46 v6(32118.11,32946.77)
LVD21: J6.9 U1.R6 | length 1315.9
  Top Layer w5: J6.9@32098.43,33014.76 v2(32098.43,33063.46)
  Top Layer w10: v1(31500.71,32339.76) U1.R6@31516.46,32324.02
  Bottom Layer w5: v1(31500.71,32339.76) 31484.96,32355.51 31484.96,32894.88 31618.82,33028.74 32063.7,33028.74 v2(32098.43,33063.46)
LVD22: J6.10 U1.N7 | length 1244.7
  Top Layer w5: J6.10@32078.74,33014.76 32078.74,32966.46 v6(32079.45,32965.75)
  Top Layer w10: v1(31563.7,32308.27) U1.N7@31579.45,32292.52
  Bottom Layer w5: v1(31563.7,32308.27) 31547.95,32324.01 31547.95,32883.07 31662.13,32997.24 32047.95,32997.24 v6(32079.45,32965.75)
LVD23: J6.11 U1.U5 | length 1369.1
  Top Layer w6: J6.11@32059.06,33014.76 v2(32059.06,33098.9)
  Top Layer w10: v1(31429.84,32367.32) 31441.65,32355.51 U1.U5@31453.46,32355.51 ; J6.11@32058.64,33014.35 J6.11@32059.06,33014.76
  Bottom Layer w5: v1(31429.84,32367.32) 31453.47,32390.94 31453.47,32914.57 31658.19,33119.29 32038.66,33119.29 v2(32059.06,33098.9)
MNSS1/EINT11/GPG3: RA1.4 U16.68 | length 403.8
  Top Layer w10: U16.68@30411.42,32771.65 30681.1,32771.65 30725.73,32727.03 RA1.4@30796.77,32727.03
MPLLCAP: C20.1 U1.N14 | length 343.1
  Top Layer w5: C20.1@31402.28,31802.36 v7(31402.28,31851.57)
  Top Layer w10: v1(31563.7,32056.3) U1.N14@31579.45,32072.05
  Mid-Layer 1 w5: v7(31402.28,31851.57) 31402.28,31894.88 31410.16,31902.76 v1(31563.7,32056.3)
MRST: C68.1 D9.1 P2.11 Q16.3 R70.2 U16.96 | length 1104.5
  Top Layer w8: C68.1@29653.54,33167.32 29816.93,33167.32 29875.98,33108.27 R70.2@29901.57,33108.27 29905.51,33104.33 29956.69,33104.33 ; D9.1@29904.53,33240.16 29956.69,33240.16 ; U16.96@29956.69,32970.47 29956.69,33104.33 ; P2.11@30110.24,33629.92 30059.06,33578.74 30059.06,33507.87 29956.69,33405.51 29956.69,33240.16 ; 29956.69,33104.33 29956.69,33240.16
MSPICLK1/GPG7: RA1.1 U16.71 | length 385.4
  Top Layer w10: U16.71@30411.42,32830.71 RA1.1@30796.77,32830.71
MSPISI1/GPG6: RA1.3 U16.69 | length 397.5
  Top Layer w10: U16.69@30411.42,32791.34 30704.72,32791.34 30734.04,32762.03 RA1.3@30796.77,32762.03
MSPISO1/GPG5: RA1.2 U16.70 | length 391.2
  Top Layer w10: U16.70@30411.42,32811.02 30728.35,32811.02 30742.34,32797.03 RA1.2@30796.77,32797.03
MTCK: P2.7 U16.95 | length 890
  Top Layer w6: U16.95@29976.38,32970.47 29976.38,33377.95 30086.61,33488.19 30244.09,33488.19 30259.84,33503.94 30259.84,33579.53 P2.7@30310.24,33629.92
MTDI: P2.3 U16.93 | length 1039.5
  Top Layer w6: U16.93@30015.75,32970.47 30015.75,33342.52 30125.98,33452.76 30425.2,33452.76 30460.63,33488.19 30460.63,33580.32 P2.3@30510.24,33629.92
MTDO: P2.1 U16.92 | length 1095.9
  Top Layer w6: U16.92@30035.43,32970.47 30035.43,33322.83 30145.67,33433.07 30440.94,33433.07 30484.25,33476.38 30527.56,33476.38 30562.99,33511.81 30562.99,33582.68 P2.1@30610.24,33629.92
MTEST: P2.8 U16.91 | length 684
  Top Layer w6: U16.91@30055.12,32970.47 30055.12,33307.09 30141.73,33393.7 v3(30174.02,33393.7)
  Mid-Layer 1 w6: v3(30174.02,33393.7) P2.8@30310.24,33529.92
MTMS: P2.5 U16.94 | length 964.8
  Top Layer w6: U16.94@29996.06,32970.47 29996.06,33362.2 30102.36,33468.5 30330.71,33468.5 30358.27,33496.06 30358.27,33577.95 P2.5@30410.24,33629.92
NCON: R2.2 U1.R12 | length 455.1
  Top Layer w5: R2.2@31116.85,32001.18 31142.44,32001.18 31165.32,32024.05 31342.48,32024.05 v7(31355.04,32036.61)
  Top Layer w10: v1(31500.71,32119.29) U1.R12@31516.46,32135.04
  Mid-Layer 1 w5: v7(31355.04,32036.61) 31437.72,32119.29 v1(31500.71,32119.29)
  other v1: 31154.25,32012.99
NCTS1/RXD2: U1.J15
NetB1_1: B1.1 D8.1 | length 618.2
  Top Layer w5: D8.1@31851.1,30623.23 32063.7,30623.23
  Top Layer w10: 32063.7,30623.23 32067.64,30627.16 ; B1.1@32067.64,30313.78 B1.1@32067.64,30713.78
NetB2_1: B2.1 R62.1 | length 53
  Top Layer w12: B2.1@31955.43,32790.55 R62.1@32008.39,32790.55
NetB3_1: B3.1 R63.1 | length 53
  Top Layer w12: B3.1@31737.13,32788.58 R63.1@31790.08,32788.58
NetB4_1: B4.1 R64.1 | length 64.8
  Top Layer w12: B4.1@32164.1,32790.55 R64.1@32228.86,32790.55
NetC44_1: C44.1 R8.2 U5.17 | length 198.1
  Top Layer w10: R8.2@31023.62,30726.38 C44.1@31023.62,30789.37 31069.29,30743.7 U5.17@31139.76,30743.7
NetC46_1: C46.1 U5.8 Y3.3 | length 380.3
  Top Layer w10: Y3.3@31442.91,31250 C46.1@31515.75,31250 ; Y3.3@31448.82,31251.97 31433.07,31251.97 31405.51,31224.41 31405.51,31078.74 31440.55,31043.7 U5.8@31498.03,31043.7
NetC47_1: C47.1 U5.7 Y3.1 | length 346.7
  Top Layer w5: C47.1@31291.34,31187.01 Y3.1@31360.24,31187.01
  Top Layer w12: Y3.1@31360.24,31187.01 31360.24,31084.65 31451.18,30993.7 U5.7@31498.03,30993.7
NetC52_2: C52.2 R20.2 R21.2 U7.5 | length 281.8
  Top Layer w12: U7.5@32479.06,29402.56 32599.33,29402.56 32605.04,29396.85 32610.95,29402.75 32662.13,29402.75 32670.99,29393.9 R20.2@32671.97,29392.91 ; R21.2@32666.07,29320.08 32666.07,29388.98 R20.2@32673.94,29396.85
NetC53_1: C53.1 U7.3 | length 130
  Top Layer w10: C53.1@32168.03,29471.65 32195.59,29471.65 32214.69,29452.56 U7.3@32290.08,29452.56
NetC53_2: C53.2 R22.2 R23.1 U7.4 | length 295.4
  Top Layer w10: C53.2@32168.03,29404.72 32170.2,29402.56 U7.4@32290.08,29402.56 32307.8,29384.84 R23.1@32307.8,29316.14 R22.2@32386.54,29316.14
NetC59_1: C59.1 CP14.1 RD6.1 RV3.2 U10.2 U10.4 | length 971.5
  Top Layer w20: RV3.2@31801.89,30532.68 31849.14,30579.92 31935.75,30579.92 RD6.1@31945.59,30589.76
  Top Layer w25: U10.2@31742.84,30174.41 U10.4@31971.18,30174.41 31971.18,30306.3 31945.59,30331.89 CP14.1@31945.59,30394.88 ; C59.1@31945.59,30532.68 32004.65,30532.68 32008.58,30536.61 ; RD6.1@31957.4,30589.76 32018.43,30589.76 32020.39,30587.79 ; 32008.58,30442.12 31959.37,30442.12 CP14.1@31945.59,30428.34 ; 32012.52,30394.88 CP14.1@31945.59,30394.88 ; CP14.1@31945.59,30394.88 CP14.1@31945.59,30428.34 ; CP14.1@31945.59,30394.88 31941.65,30394.88 31931.81,30404.72 CP14.1@31931.81,30414.57 CP14.1@31945.59,30428.34
NetC60_1: C60.1 CP15.1 LR1.1 U11.1 U11.4 | length 529.3
  Top Layer w12: U11.1@30547.24,32179.13 30553.15,32173.23 30574.8,32173.23 30594.49,32153.54 30594.49,32114.17 ; C60.1@30572.83,32015.75 30594.49,32037.4 30594.49,32114.17 ; U11.4@30641.73,32104.33 30604.33,32104.33 30594.49,32114.17
  Top Layer w20: C60.1@30572.83,32015.75 30669.29,32015.75 CP15.1@30673.23,32011.81 30673.23,31968.5 LR1.1@30763.78,31877.95
NetC61_2: C61.2 R27.2 R28.1 U11.5 | length 234.1
  Top Layer w12: U11.5@30641.73,32141.73 30669.29,32141.73 30698.82,32171.26 C61.2@30791.34,32171.26 30773.62,32188.98 R28.1@30773.62,32236.22
NetC64_1: C64.1 CV2.1 D6.2 L3.2 P1.4 RT1.1 | length 1429.2
  Top Layer w20: C64.1@32490.87,30363.38 32559.77,30363.38
  Top Layer w39.37: RT1.1@32362.91,29940.16 D6.2@32362.91,30101.57 32526.3,30101.57 32595.2,30170.47 P1.4@32595.2,30249.21 32595.2,30532.68 ; CV2.1@32445.59,30572.05 32595.2,30572.05 32595.2,30642.91 32599.14,30646.85
  Top Layer w50: 33122.76,30650.79 L3.2@33122.76,30749.21 ; L3.2@33122.76,30784.64 33124.73,30786.61 33252.68,30774.8 33252.68,30654.72
NetC67_1: C67.1 J4.1 J4.2 J4.3 RF3.1 | length 439.5
  Top Layer w50: RF3.1@30070.87,27992.13 RF3.1@30070.87,27960.63 ; J4.2@30163.39,27808.07 30163.39,27868.11 30151.58,27879.92 ; RF3.1@30070.87,27960.63 30070.87,27919.29 C67.1@30031.5,27879.92 30151.58,27879.92 ; RF3.1@30070.87,27960.63 30151.58,27879.92
NetC73_1: C73.1 U16.62 | length 92.5
  Top Layer w10: U16.62@30411.42,32653.54 C73.1@30503.94,32653.54
NetC79_1: C79.1 D13.2 R82.1 U17.17 | length 504.7
  Top Layer w12: U17.17@30374.02,31411.42 U17.17@30374.02,31429.13
  Top Layer w25: U17.17@30374.02,31429.13 30374.02,31468.5 30399.61,31494.09 R82.1@30811.02,31494.09
NetC82_1: C82.1 U19.4 | length 105.9
  Top Layer w20: C82.1@30653.54,28828.74 30698.82,28828.74 30726.38,28856.3 U19.4@30726.38,28877.95
NetC90_1: C90.1 Q16.2 R118.1 | length 272.6
  Top Layer w12: C90.1@29655.51,33003.94 29694.88,32964.57 29775.59,32964.57 29793.31,32982.28 R118.1@29793.31,33003.94 29805.12,33015.75 Q16.2@29805.12,33088.58
NetC90_2: C90.2 U24.3 | length 1231
  Top Layer w10: v3(29547.24,33003.94) C90.2@29588.58,33003.94
  Mid-Layer 1 w10: v3(29547.24,33003.94) 30586.61,33003.94 v3(30645.67,33062.99)
  Bottom Layer w10: v3(30645.67,33062.99) U24.3@30645.67,33129.72
NetC91_1: C91.1 R119.2 R120.2 Y6.2 | length 261.1
  Top Layer w10: R120.2@30663.39,33405.51 30734.25,33405.51 C91.1@30738.19,33401.57 Y6.2@30738.19,33314.96 30755.91,33332.68 R119.2@30814.96,33332.68 R119.2@30805.12,33342.52
NetCT1_1: CT1.1 L1.1 RF1.2 | length 395.9
  Top Layer w50: CT1.1@31943.62,29355.51 31943.62,29408.66 31888.51,29463.78 L1.1@31888.51,29509.05 31963.31,29509.05 RF1.2@32065.67,29611.42